# Altium PCB Audio_Blade_Mic_Array.PcbDoc (part 2 of 4) (continued)
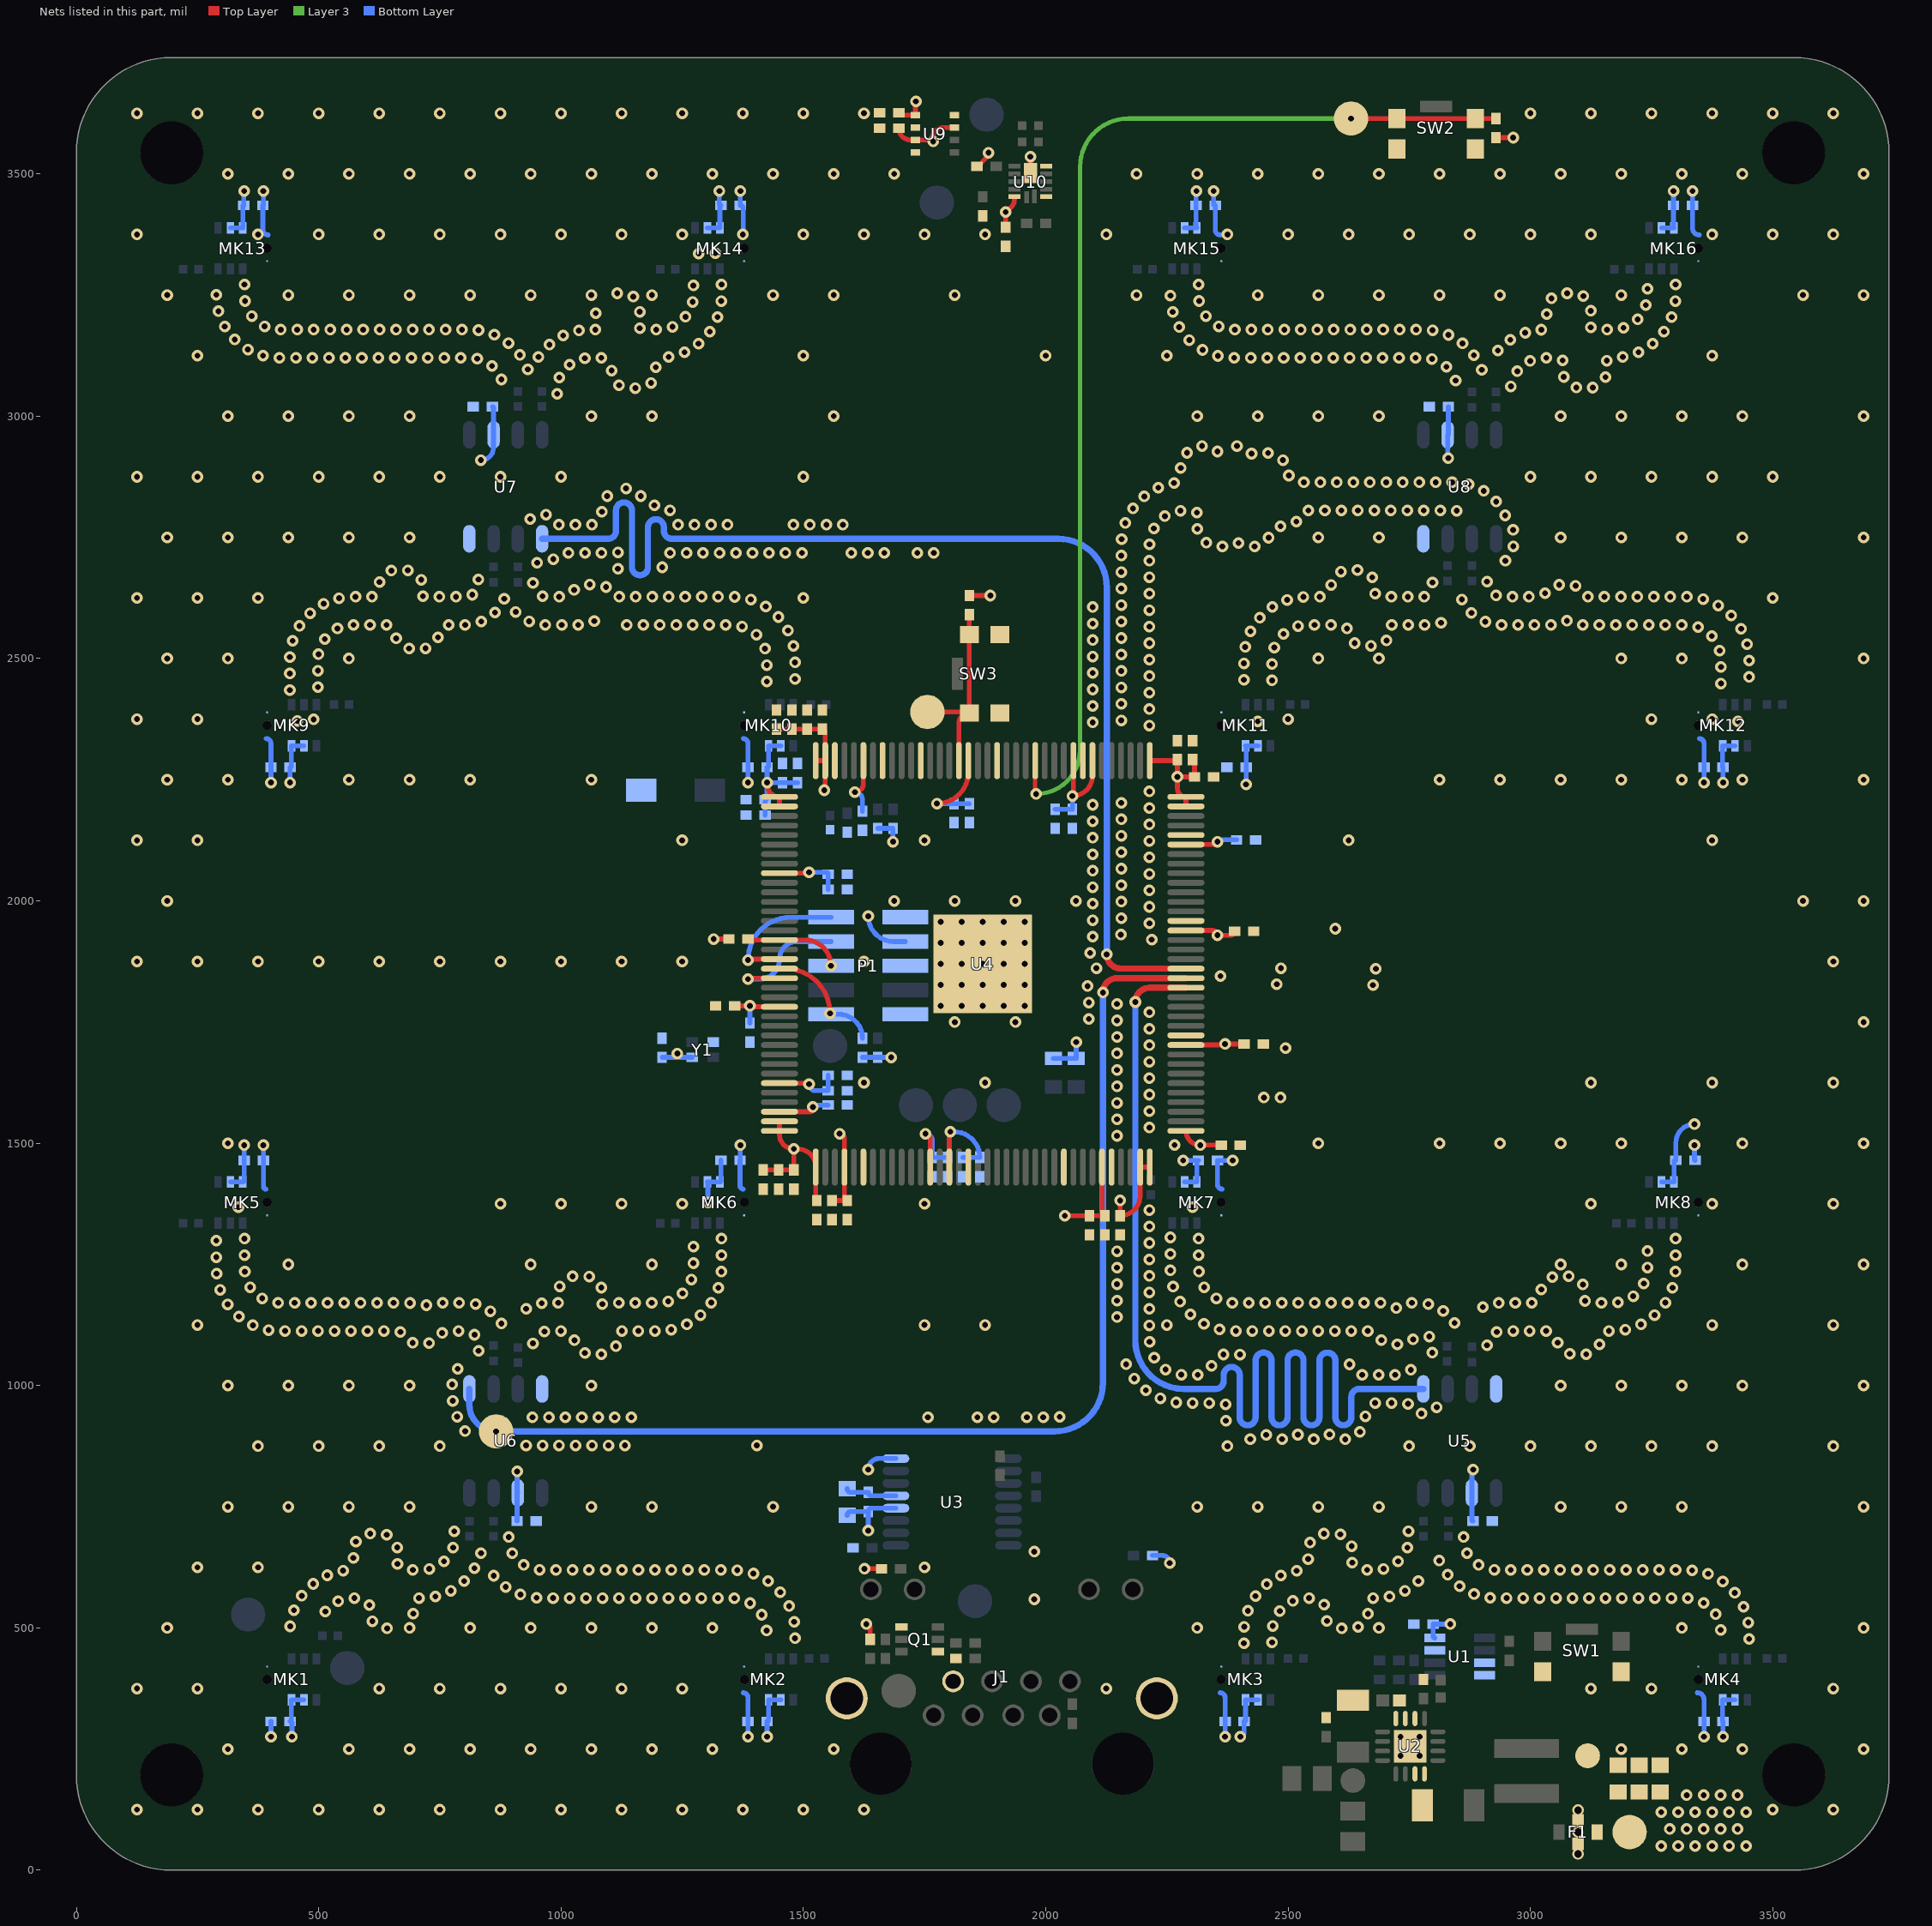
[diagram p6: the nets of this part, all layers, seen from the top]
## Nets (pads, with @x,y where several pads share a name; then routed paths per layer and width w, separated by ;. In a path a pad name is that pad's centre, name@x,y a point inside that pad or via, vN(x,y) a via of type N, cw(c..) or ccw(c..) an arc to the next point about the centre after c; other vN are vias at no path point)
+3V1_SYS: C1.1 C6.2 C7.2 C8.2 C10.2 C11.2 C12.2 C13.2 C14.2 C15.2 C16.2 C17.1 C18.1 C19.1 C20.1 C21.1 C22.1 C23.1 C24.1 C25.1 C26.1 C27.1 C28.1 C29.1 C30.1 C31.1 C32.1 C33.1 C34.1 C35.1 C36.1 C37.1 C38.1 C39.1 C40.1 C41.1 C42.1 C43.1 C44.1 C45.1 C46.1 C47.1 C48.1 C49.1 C50.1 C51.1 C52.1 C53.1 C54.1 C55.1 C56.1 C58.2 C59.2 C60.2 C61.2 C62.2 C63.2 C64.2 C65.2 C67.2 C69.2 C70.2 C71.2 C72.2 C73.2 C74.2 C75.2 C76.2 C77.2 C78.2 F1.3 MK1.2 MK1.3 MK2.2 MK2.3 MK3.2 MK3.3 MK4.2 MK4.3 MK5.2 MK5.3 MK6.2 MK6.3 MK7.2 MK7.3 MK8.2 MK8.3 MK9.2 MK9.3 MK10.2 MK10.3 MK11.2 MK11.3 MK12.2 MK12.3 MK13.2 MK13.3 MK14.2 MK14.3 MK15.2 MK15.3 MK16.2 MK16.3 P1.3 R1.2 R7.2 R10.2 R18.2 R19.2 R20.2 R21.2 R27.2 R28.2 R29.2 R41.2 R42.2 TP1.1 U1.4 U3.12 U3.16 U4.1 U4.2 U4.9 U4.23 U4.31 U4.34 U4.35 U4.36 U4.37 U4.40 U4.49 U4.51 U4.67 U4.71 U4.72 U4.73 U4.82 U4.94 U4.103 U4.107 U4.108 U4.109 U4.115 U4.117 U4.128 U4.139 U4.143 U4.144 U5.6 U6.6 U7.6 U8.6 U9.2 U9.6 U9.8 U10.11 Y1.4 | length 6751.5
  Top Layer w10: v1(1314.96,1921.26) R27.2@1346.46,1921.26 ; C23.1@1358.27,1783.46 v1(1389.76,1783.46) ccw(c1391.73,1783.46) 1391.73,1781.5 U4.23@1450.79,1781.5 ; C30.1@1417.32,1444.88 C29.1@1448.82,1444.88 C28.1@1480.32,1444.88 v1(1480.32,1488.19) ; v1(1425.2,2244.09) 1425.2,2240.16 ccw(c1450.79,2240.16) U4.1@1450.79,2214.57 U4.2@1450.79,2194.88 ; C56.1@1444.88,2354.33 C55.1@1476.38,2354.33 C54.1@1507.87,2354.33 C53.1@1539.37,2354.33 cw(c1539.37,2348.43) 1545.28,2348.43 U4.143@1545.28,2289.37 ; U4.35@1450.79,1545.28 U4.36@1450.79,1525.59 1450.79,1517.72 ccw(c1480.32,1517.72) v1(1480.32,1488.19) ; U4.34@1450.79,1564.96 1513.78,1564.96 ccw(c1513.78,1574.8) 1523.62,1574.8 v1(1519.68,1574.8) ; U4.31@1450.79,1624.02 1509.84,1624.02 cw(c1509.84,1622.05) v1(1511.81,1622.05) ; U4.9@1450.79,2057.09 1509.84,2057.09 ccw(c1509.84,2059.06) v1(1511.81,2059.06) ; U4.144@1525.59,2289.37 U4.143@1545.28,2289.37 ; C31.1@1527.56,1381.89 cw(c1527.56,1383.86) 1525.59,1383.86 U4.37@1525.59,1450.79 ccw(c1488.19,1450.79) 1488.19,1488.19 v1(1480.32,1488.19) ; v1(1543.31,2228.35) ccw(c1543.31,2230.31) 1545.28,2230.31 U4.143@1545.28,2289.37 ; C32.1@1559.06,1381.89 C33.1@1590.55,1381.89 cw(c1590.55,1387.8) 1584.65,1387.8 U4.40@1584.65,1450.79 1584.65,1509.84 ccw(c1574.8,1509.84) v1(1574.8,1519.68) ; v1(1606.3,2224.41) ccw(c1606.3,2242.13) 1624.02,2242.13 U4.139@1624.02,2289.37 ; v1(1625.98,622.05) R10.2@1661.42,622.05 ; v1(1629.92,507.87) cw(c1629.92,500) 1637.8,500 R1.2@1637.8,476.38 ; C61.2@1696.85,3594.49 ccw(c1721.46,3594.49) 1721.46,3569.88 U9.6@1731.3,3569.88 1764.76,3569.88 cw(c1790.35,3569.88) 1790.35,3595.47 U9.2@1812.01,3595.47 ; C62.2@1696.85,3625.98 ccw(c1701.77,3625.98) 1701.77,3621.06 U9.8@1731.3,3621.06 1731.3,3648.62 cw(c1732.28,3648.62) v1(1732.28,3649.61) ; v1(1751.97,1519.68) cw(c1751.97,1509.84) 1761.81,1509.84 U4.49@1761.81,1450.79 ; v1(1775.59,2200.79) ccw(c1775.59,2265.75) 1840.55,2265.75 U4.128@1840.55,2289.37 ; U4.51@1801.18,1450.79 1801.18,1521.65 cw(c1803.15,1521.65) v1(1803.15,1523.62) ; R21.2@1842.52,2629.92 v1(1885.83,2629.92) ; v1@1913.39,3425.2 ccw(c1913.39,3447.44) 1935.63,3447.44 U10.11@1935.63,3452.76 ; C67.2@1917.32,3389.76 v1(1917.32,3421.26) ; v1(2039.37,1350.39) C38.1@2090.55,1350.39 C39.1@2122.05,1350.39 cw(c2122.05,1356.3) 2116.14,1356.3 U4.67@2116.14,1450.79 ; U4.117@2057.09,2289.37 2057.09,2218.5 cw(c2055.12,2218.5) v1(2055.12,2216.54) ccw(c2055.12,2257.87) 2096.46,2257.87 U4.115@2096.46,2289.37 ; v1(2153.54,1381.89) C40.1@2153.54,1350.39 ccw(c2153.54,1391.73) 2194.88,1391.73 U4.71@2194.88,1450.79 U4.72@2214.57,1450.79 ; U4.109@2214.57,2289.37 2269.68,2289.37 ccw(c2269.68,2291.34) C47.1@2271.65,2291.34 v1(2271.65,2255.91) ; U4.73@2289.37,1525.59 ccw(c2318.9,1525.59) v1(2318.9,1496.06) C41.1@2362.2,1496.06 ; U4.82@2289.37,1702.76 2368.11,1702.76 ccw(c2368.11,1704.72) v1(2370.08,1704.72) C42.1@2409.45,1704.72 ; U4.94@2289.37,1938.98 2344.49,1938.98 cw(c2344.49,1929.13) v1(2354.33,1929.13) 2381.89,1929.13 ccw(c2381.89,1937.01) C43.1@2389.76,1937.01 ; U4.103@2289.37,2116.14 2348.43,2116.14 ccw(c2348.43,2122.05) v1(2354.33,2122.05) ; U4.107@2289.37,2194.88 U4.108@2289.37,2214.57 cw(c2289.37,2232.28) 2271.65,2232.28 v1(2271.65,2255.91) ; C46.1@2303.15,2291.34 cw(c2303.15,2287.4) 2307.09,2287.4 C45.1@2307.09,2255.91 v1(2271.65,2255.91) ; R18.2@2929.13,3574.8 v1(2964.57,3574.8)
  Bottom Layer w10: MK5.2@317.91,1420.28 MK5.3@343.5,1420.28 ccw(c343.5,1423.23) 346.46,1423.23 C64.2@346.46,1464.57 v1(346.46,1496.06) ; MK13.2@317.91,3388.78 MK13.3@343.5,3388.78 343.5,3433.19 cw(c345.31,3433.19) C75.2@345.31,3435 345.31,3463.43 cw(c346.46,3463.43) v1(346.46,3464.57) ; v1(440.94,2244.09) C71.2@440.94,2275.59 ccw(c440.94,2278.54) 443.9,2278.54 MK9.3@443.9,2319.88 MK9.2@469.49,2319.88 ; v1(444.88,275.59) 444.88,303.15 ccw(c440.94,303.15) C58.2@440.94,307.09 ccw(c440.94,310.04) 443.9,310.04 MK1.3@443.9,351.38 MK1.2@469.49,351.38 ; v1(834.65,2909.45) ccw(c834.65,2935.63) 860.83,2935.63 U7.6@860.83,2961.61 860.83,3017.13 ccw(c858.27,3017.13) C15.2@858.27,3019.68 ; C14.2@909.45,720.47 909.45,777.17 cw(c910.83,777.17) U6.6@910.83,778.54 cw(c910.83,779.92) 909.45,779.92 v1(909.45,822.83) ; C12.2@1208.66,1677.17 1232.28,1677.17 ccw(c1232.28,1685.04) v1(1240.16,1685.04) ccw(c1248.03,1685.04) 1248.03,1677.17 Y1.4@1270.67,1677.17 ; MK14.2@1302.17,3388.78 MK14.3@1327.76,3388.78 1327.76,3432.44 cw(c1330.31,3432.44) C76.2@1330.31,3435 cw(c1330.31,3438.54) 1326.77,3438.54 v1(1326.77,3464.57) ; v1(1303.15,1377.95) 1303.15,1419.29 ccw(c1302.17,1419.29) MK6.2@1302.17,1420.28 MK6.3@1327.76,1420.28 ccw(c1327.76,1422.52) 1330,1422.52 C65.2@1330,1465 ; C24.1@1389.76,1748.03 v1(1389.76,1783.46) ; C20.1@1421.26,2177.17 C19.1@1421.26,2208.66 ccw(c1421.26,2212.6) 1425.2,2212.6 v1(1425.2,2244.09) ; v1(1425.2,275.59) C59.2@1425.2,307.09 ccw(c1425.2,310.04) 1428.15,310.04 MK2.3@1428.15,351.38 MK2.2@1453.74,351.38 ; MK10.2@1453.74,2319.88 MK10.3@1428.15,2319.88 1428.15,2278.54 cw(c1425.2,2278.54) C72.2@1425.2,2275.59 v1(1425.2,2244.09) ; C18.1@1488.19,2244.09 C17.1@1456.69,2244.09 v1(1425.2,2244.09) ; v1(1511.81,1622.05) ccw(c1525.39,1622.05) 1525.39,1608.47 C25.1@1551.15,1608.47 C26.1@1551.15,1639.97 ; v1(1511.81,2059.06) 1547.24,2059.06 cw(c1547.24,2055.12) C21.1@1551.18,2055.12 C22.1@1551.18,2023.62 ; v1(1519.68,1574.8) cw(c1523.62,1574.8) 1523.62,1578.74 C27.1@1551.18,1578.74 ; C11.2@1590.55,732.28 cw(c1598.43,732.28) 1598.43,740.16 C10.2@1633.86,740.16 ; v1(1606.3,2224.41) cw(c1606.3,2208.66) 1622.05,2208.66 C52.1@1622.05,2185.04 ; R28.2@1622.05,1677.17 R29.2@1653.54,1677.17 v1(1681.1,1677.17) ; v1(1633.86,700.79) C10.2@1633.86,740.16 ; v1(1633.86,826.77) cw(c1656.5,826.77) 1656.5,849.41 U3.16@1690.94,849.41 ; v1(1633.86,1968.5) ccw(c1686.22,1968.5) 1686.22,1916.14 P1.3@1710.63,1916.14 ; R20.2@1653.54,2149.61 R19.2@1685.04,2149.61 v1(1685.04,2122.05) ; U3.12@1690.94,747.05 1640.75,747.05 ccw(c1640.75,740.16) C10.2@1633.86,740.16 ; v1(1751.97,1519.68) cw(c1751.97,1505.91) 1765.75,1505.91 C34.1@1765.75,1470.47 C35.1@1797.24,1470.47 ; v1(1775.59,2200.79) C51.1@1811.02,2200.79 C50.1@1842.52,2200.79 ; v1(1803.15,1523.62) 1811.02,1523.62 cw(c1811.02,1470.47) C37.1@1864.17,1470.47 C36.1@1828.74,1470.47 ; R42.2@2015.75,1675.2 R41.2@2062.99,1675.2 v1(2062.99,1708.66) ; C49.1@2019.68,2188.98 C48.1@2055.12,2188.98 v1(2055.12,2216.54) ; R7.2@2220.47,649.61 2240.16,649.61 cw(c2240.16,633.86) v1(2255.91,633.86) ; v1(2283.46,1464.57) 2287.4,1464.57 C69.2@2314.96,1464.57 ccw(c2314.96,1461.61) 2312.01,1461.61 MK7.3@2312.01,1420.28 MK7.2@2286.42,1420.28 ; MK15.2@2286.42,3388.78 MK15.3@2312.01,3388.78 cw(c2312.01,3390.47) 2310.31,3390.47 C77.2@2310.31,3435 2310.31,3463.86 cw(c2311.02,3463.86) v1(2311.02,3464.57) ; v1(2354.33,2122.05) cw(c2358.27,2122.05) 2358.27,2125.98 C44.1@2393.7,2125.98 ; v1(2401.57,275.59) 2403.59,275.59 2409.45,281.45 C60.2@2409.45,307.09 ccw(c2409.45,310.04) 2412.4,310.04 MK3.3@2412.4,351.38 MK3.2@2437.99,351.38 ; v1(2413.39,2240.16) C73.2@2413.39,2275.59 2413.39,2318.9 ccw(c2412.4,2318.9) MK11.3@2412.4,2319.88 MK11.2@2437.99,2319.88 ; U1.4@2803.15,479.33 cw(c2803.15,483.27) 2799.21,483.27 C1.1@2799.21,507.87 v1(2834.65,507.87) ; v1(2830.71,2913.39) cw(c2830.71,2914.76) 2829.33,2914.76 U8.6@2829.33,2961.61 ccw(c2829.33,2962.99) 2830.71,2962.99 C16.2@2830.71,3019.68 ; C13.2@2881.89,720.47 cw(c2881.89,723.03) 2879.33,723.03 U5.6@2879.33,778.54 2879.33,824.21 cw(c2881.89,824.21) v1(2881.89,826.77) ; MK8.2@3270.67,1420.28 MK8.3@3296.26,1420.28 3296.26,1460.95 cw(c3300.31,1460.95) C70.2@3300.31,1465 3300.31,1501.1 cw(c3338.58,1501.1) v1(3338.58,1539.37) ; MK16.2@3270.67,3388.78 MK16.3@3296.26,3388.78 cw(c3296.26,3389.72) 3295.31,3389.72 C78.2@3295.31,3435 v1(3295.28,3464.57) ; v1(3397.64,275.59) C63.2@3397.64,307.09 cw(c3397.64,308.07) 3396.65,308.07 MK4.3@3396.65,351.38 MK4.2@3422.24,351.38 ; v1(3397.64,2244.09) C74.2@3397.64,2275.59 cw(c3397.64,2276.57) 3396.65,2276.57 MK12.3@3396.65,2319.88 MK12.2@3422.24,2319.88
  other v1: 3270,50 3305,50 3340,50 3375,50 3410,50 3445,50 3287.5,85 3322.5,85 3357.5,85 3392.5,85 3427.5,85 3270,120 3305,120 3340,120 3375,120 3410,120 3445,120 3322.5,155 3357.5,155 3392.5,155 3427.5,155 1767.72,3566.93
\CONFIG: R21.1 SW3.1 SW3.4 TP12.1 U4.129 | length 401.3
  Top Layer w10: TP12.1@1755.91,2389.76 1840.55,2389.76 cw(c1840.55,2387.8) SW3.1@1842.52,2387.8 ; U4.129@1820.87,2289.37 1820.87,2366.14 cw(c1842.52,2366.14) SW3.1@1842.52,2387.8 ; R21.1@1842.52,2590.55 SW3.4@1842.52,2549.21 SW3.1@1842.52,2387.8
\RESET: R18.1 SW2.1 SW2.4 TP8.1 U4.121 | length 2330.8
  Top Layer w9: U4.121@1978.35,2289.37 1978.35,2222.44 ccw(c1980.32,2222.44) v1(1980.32,2220.47) ; v1(2629.92,3614.17) SW2.1@2724.85,3614.17 SW2.4@2886.27,3614.17 R18.1@2929.13,3614.17
  Layer 3 w9: v1(1980.32,2220.47) ccw(c1980.32,2311.02) 2070.87,2311.02 2070.87,3514.17 cw(c2170.87,3514.17) 2170.87,3614.17 v1(2629.92,3614.17)
GND: C1.2 C3.1 C4.1 C5.1 C6.1 C7.1 C8.1 C9.1 C10.1 C11.1 C12.1 C13.1 C14.1 C15.1 C16.1 C17.2 C18.2 C19.2 C20.2 C21.2 C22.2 C23.2 C24.2 C25.2 C26.2 C27.2 C28.2 C29.2 C30.2 C31.2 C32.2 C33.2 C34.2 C35.2 C36.2 C37.2 C38.2 C39.2 C40.2 C41.2 C42.2 C43.2 C44.2 C45.2 C46.2 C47.2 C48.2 C49.2 C50.2 C51.2 C52.2 C53.2 C54.2 C55.2 C56.2 C57.2 C58.1 C59.1 C60.1 C61.1 C62.1 C63.1 C64.1 C65.1 C67.1 C68.2 C69.1 C70.1 C71.1 C72.1 C73.1 C74.1 C75.1 C76.1 C77.1 C78.1 F1.2 FB1.1 J1.2 J1.13 MK1.4 MK2.4 MK3.4 MK4.4 MK5.4 MK6.4 MK7.4 MK8.4 MK9.4 MK10.4 MK11.4 MK12.4 MK13.4 MK14.4 MK15.4 MK16.4 P1.1 P1.5 P1.9 Q1.1 Q1.4 R11.1 R15.1 R17.1 R43.1 R53.1 SW1.2 SW1.3 SW2.2 SW2.3 SW3.2 SW3.3 TP3.1 U1.3 U1.7 U1.8 U2.6 U2.7 U2.8 U2.15 U2.16 U2.17 U3.13 U4.42 U4.53 U4.63 U4.68 U4.83 U4.95 U4.104 U4.116 U4.125 U4.133 U4.137 U4.142 U4.145 U5.4 U6.4 U7.4 U8.4 U9.1 U9.5 U9.7 U10.2 U10.6 U10.13 Y1.2 | length 1497
  Top Layer w10: R53.1@1858.27,3515.75 1860.24,3515.75 1879.21,3534.72 1879.21,3540.63 v1@1881.89,3543.31 ; U10.13@1968.5,3501.97 v1(1968.5,3535.43)
  Bottom Layer w10: v1(385.83,1496.06) C64.1@385.83,1464.57 385.83,1411.32 ccw(c391.68,1411.32) 391.68,1405.47 ; v1(385.83,3464.57) 385.83,3436.14 cw(c384.68,3436.14) C75.1@384.68,3435 384.68,3384.96 ccw(c395.65,3384.96) 395.65,3374 ; 391.75,2334.67 cw(c391.75,2324.84) 401.57,2324.84 C71.1@401.57,2275.59 v1(401.57,2244.09) ; v1(401.57,275.59) C58.1@401.57,307.09 ; v1(1370.08,1496.06) 1370.08,1465.71 cw(c1369.37,1465.71) C65.1@1369.37,1465 1369.37,1412.03 ccw(c1375.93,1412.03) 1375.93,1405.47 ; v1(1370.08,3464.57) 1370.08,3435 C76.1@1369.68,3435 cw(c1369.68,3428.76) 1375.93,3428.76 v1@1375.93,3373.97 ; 1376,366.16 cw(c1376,356.34) 1385.83,356.34 C59.1@1385.83,307.09 v1(1385.83,275.59) ; 1376,2334.67 cw(c1376,2324.84) 1385.83,2324.84 C72.1@1385.83,2275.59 v1(1385.83,2244.09) ; C11.1@1590.55,787.4 ccw(c1598.43,787.4) 1598.43,779.53 C10.1@1633.86,779.53 ccw(c1640.75,779.53) 1640.75,772.64 U3.13@1690.94,772.64 ; v1(2346.46,3464.57) 2346.46,3438.23 ccw(c2349.68,3438.23) C77.1@2349.68,3435 2349.68,3384.47 ccw(c2360.18,3384.47) 2360.18,3373.97 ; 2360.26,366.16 cw(c2360.26,356.34) 2370.08,356.34 C60.1@2370.08,307.09 v1(2370.08,275.59) ; 2364.15,1405.49 cw(c2364.15,1415.32) 2354.33,1415.32 C69.1@2354.33,1464.57 v1(2385.83,1464.57) ; v1@3334.69,3464.57 C78.1@3334.69,3435 3334.69,3387.72 ccw(c3348.41,3387.72) 3348.41,3374 ; v1(3338.58,1496.06) 3338.58,1466.1 ccw(c3339.69,1466.1) C70.1@3339.69,1465 ; 3344.51,366.16 cw(c3344.51,352.4) 3358.27,352.4 C63.1@3358.27,307.09 v1(3358.27,275.59) ; 3348.48,2334.69 cw(c3348.48,2324.9) 3358.27,2324.9 C74.1@3358.27,2275.59 v1(3358.27,2244.09)
  other v1: 125,125 250,125 375,125 500,125 625,125 750,125 875,125 1000,125 1125,125 1250,125 1375,125 1500,125 1625,125 3500,125 3625,125 2732.28,236.22 2771.65,236.22 312.5,250 562.5,250 687.5,250 812.5,250 937.5,250 1062.5,250 1187.5,250 1312.5,250 1562.5,250 3187.5,250 3312.5,250 3437.5,250 3687.5,250 2732.28,275.59 2771.65,275.59 125,375 250,375 625,375 750,375 875,375 1000,375 1125,375 1250,375 2125,375 3125,375 3250,375 3625,375 2408.97,468.25 2467.01,470.12 3451.26,477.26 1482.76,478.69 1424.28,494.68 3392.67,495.87 641.25,499.02 2610.68,499.12 187.5,500 687.5,500 812.5,500 937.5,500 1062.5,500 1187.5,500 1312.5,500 2312.5,500 2687.5,500 3312.5,500 3687.5,500 2409.62,502.24 2644.55,502.1 441.2,503.31 2468.38,504.1 3449.58,511.21 1480.99,512.64 610.64,513.83 2580.27,514.32 1414.23,527.16 3382.18,528.21 2665.09,529.2 695.2,529.61 513.71,533.89 2417.06,535.42 2482.97,534.81 448.97,536.41 3439.72,543.75 1470.68,545.04 604.58,547.28 2574.47,547.82 1390.15,551.15 3357.61,551.71 540.34,555.03 2509.88,555.59 1976.38,559.06 1357.64,561.12 3324.97,561.23 573.71,561.53 706.9,561.53 949.65,562.02 983.64,561.53 1017.64,561.53 1051.64,561.53 1085.64,561.53 1119.64,561.53 1153.64,561.53 1187.64,561.53 1221.64,561.53 1255.64,561.53 1289.64,561.53 1323.64,561.53 2543.36,561.53 2675.6,561.53 2916.98,562.22 2950.97,561.53 2984.97,561.53 3018.97,561.53 3052.97,561.53 3086.97,561.53 3120.97,561.53 3154.97,561.53 3188.97,561.53 3222.97,561.53 3256.97,561.53 3290.97,561.53 740.73,564.84 2709.43,564.84 465.15,566.32 2432.9,565.5 916.36,568.94 2883.86,569.92 3421.69,572.58 1452.29,573.63 772.65,576.57 2741.35,576.57 886.11,584.47 2853.96,586.11 2456.24,590.23 488.58,590.96 3396.94,595.89 800.18,596.52 1427.27,596.66 2768.88,596.52 861.26,607.67 2485.12,608.16 517.65,608.59 2829.44,609.66 1397,612.14 3366.79,611.61 550.27,618.18 2517.7,617.9 1363.71,619.06 3333.59,618.95 694.29,619.57 955.72,619.96 989.72,619.57 1023.72,619.57 1057.72,619.57 1091.72,619.57 1125.72,619.57 1159.72,619.57 1193.72,619.57 1227.72,619.57 1261.72,619.57 1295.72,619.57 1329.72,619.57 2663.03,619.57 2925.6,619.96 2959.6,619.57 2993.6,619.57 3027.6,619.57 3061.6,619.57 3095.6,619.57 3129.6,619.57 3163.6,619.57 3197.6,619.57 3231.6,619.57 3265.6,619.57 3299.6,619.57 728.23,621.64 2696.97,621.65 821.36,623.11 250,625 375,625 1750,625 923.22,629.96 2893.1,629.96 662.61,631.93 2632.51,634.54 758.36,637.39 2727.09,637.42 2812.07,638.89 2541.55,642.14 571.66,644.61 835,654.26 899.5,654.32 2869.38,654.32 1976.38,657.48 662.09,665.92 777.43,665.53 2746.14,665.58 2631.47,668.52 2545.45,675.91 576.7,678.23 892.12,687.51 2862,687.51 640.43,692.13 2607.98,693.1 2574,694.37 606.52,694.57 779.86,699.45 2748.57,699.49 312.5,750 437.5,750 562.5,750 687.5,750 1062.5,750 1187.5,750 1437.5,750 2312.5,750 2437.5,750 2562.5,750 2687.5,750 3062.5,750 3187.5,750 3312.5,750 3687.5,750 375,875 500,875 625,875 750,875 2375,875 2750,875 2875,875 3000,875 3125,875 3250,875 3375,875 3625,875 927.94,876.49 961.94,876.49 995.94,876.49 1029.94,876.49 1063.94,876.49 1097.94,876.49 1131.94,876.49 1403.94,876.49 2422.11,889.42 2487.65,889.36 2552.99,889.26 2618.02,889.2 2454.89,898.46 2520.33,898.72 2585.51,899.17 2648.34,904.58 802.24,905.95 2371.8,927.45 941.01,934.53 975.01,934.53 1009.01,934.53 1043.01,934.53 1077.01,934.53 1111.01,934.53 1145.01,934.53 1757.01,934.53 1859.01,934.53 1893.01,934.53 1961.01,934.53 1995.01,934.53 785.77,935.7 2028.99,935.63 2659.64,936.65 2775.22,942.32 2806.7,955.17 2371.15,961.45 2747.66,962.23 2303.25,964.09 2337.25,964.09 2679.71,964.09 2713.71,964.09 2269.26,965.06 776.68,968.46 2236.39,973.75 2206.78,990.45 312.5,1000 437.5,1000 562.5,1000 687.5,1000 1062.5,1000 3062.5,1000 3187.5,1000 3312.5,1000 3437.5,1000 3687.5,1000 775.35,1002.43 2182.71,1014.46 2279.8,1022.45 2313.8,1022.13 2652.93,1022.13 2686.93,1022.13 2720.93,1022.13 2753.34,1032.43 2247.51,1033.11 786.84,1034.43 2342.32,1040.64 2165.87,1044 2626.72,1043.78 2223.95,1057.62 2366.88,1064.15 2400.88,1064 1083.29,1064.77 3081.22,1065.34 3115.21,1064.71 1049.38,1067.22 2797.7,1067.81 829.93,1071.86 1113.12,1081.08 2910.62,1083.11 2725.57,1085.12 3142.6,1084.86 942.12,1087.12 693.96,1088.13 727.95,1087.66 3056.39,1088.57 2214.37,1090.24 1027.74,1093.44 2692.69,1093.78 2758.03,1095.25 2791.5,1101.24 821.62,1104.83 754.81,1108.51 668.62,1110.79 2930.52,1110.68 965.75,1111.57 430.67,1112.71 464.67,1112.71 498.67,1112.71 532.67,1112.71 566.67,1112.71 600.67,1112.71 634.67,1112.71 788.55,1112.71 999.73,1112.71 1125.6,1112.71 1159.6,1112.71 1193.6,1112.71 2392.45,1112.71 2426.45,1112.71 2460.45,1112.71 2494.45,1112.71 2528.45,1112.71 2562.45,1112.71 2596.45,1112.71 2630.45,1112.71 2664.45,1112.71 2964.46,1112.71 2998.46,1112.71 3032.46,1112.71 3162.1,1112.71 396.71,1114.42 1227.5,1115.26 3196.01,1115.26 2358.59,1115.86 364.23,1124.46 2214.06,1124.24 250,1125 1750,1125 1875,1125 2250,1125 3375,1125 3625,1125 1259.7,1126.17 3228.21,1126.17 2326.58,1127.32 877.21,1128.11 2843.43,1129.02 2147.13,1141.31 335.49,1142.62 1287.78,1145.35 3256.28,1145.35 2298.86,1147.01 854.36,1153.29 2820.15,1153.8 2214.06,1158.24 928.15,1158.51 2723.16,1159.96 2901.87,1161.85 722.13,1165.96 312.26,1167.45 823.67,1167.94 1085.26,1168.28 2789.3,1168.09 688.41,1170.33 960.24,1169.73 2934.76,1170.45 416.41,1170.93 450.41,1170.75 484.41,1170.75 518.41,1170.75 552.41,1170.75 586.41,1170.75 620.41,1170.75 654.41,1170.75 755.79,1170.75 789.79,1170.75 994.23,1170.75 1119.17,1170.75 1153.17,1170.75 1187.17,1170.75 1310.03,1171.06 2384.92,1170.93 2418.92,1170.75 2452.92,1170.75 2486.92,1170.75 2520.92,1170.75 2554.92,1170.75 2588.92,1170.75 2622.92,1170.75 2656.92,1170.75 2690.92,1170.75 2755.4,1170.75 2968.76,1170.75 3002.76,1170.75 3146.59,1170.75 3278.53,1171.06 3180.57,1171.76 2277.23,1173.23 1221.05,1173.67 2147.13,1175.31 3112.82,1174.73 383.64,1179.99 2352.15,1179.99 3212.13,1184.41 1250.73,1190.25 2214.06,1192.24 296.66,1197.66 3022.63,1198.34 1083.38,1202.23 1324.76,1201.7 3293.27,1201.7 358.58,1202.96 2327.08,1202.96 2262.9,1204.07 997.18,1204.62 3108.36,1208.44 2147.13,1209.31 3234.01,1210.44 1269.03,1218.91 3045.18,1223.78 1024.08,1225.42 1058.08,1224.94 2214.06,1226.24 3079.12,1225.8 289.48,1230.89 347.61,1235.14 1330.94,1235.14 2316.12,1235.14 3299.44,1235.14 2257.45,1237.63 2147.13,1243.31 3241.65,1243.57 437.5,1250 937.5,1250 1187.5,1250 3062.5,1250 3187.5,1250 3437.5,1250 3687.5,1250 1273.15,1252.66 2214.06,1260.24 288.89,1264.89 346.93,1269.14 1331.18,1269.14 2315.44,1269.14 3299.69,1269.14 2257.4,1271.63 2147.13,1277.31 3241.65,1277.57 1273.15,1286.66 2214.06,1294.24 288.89,1298.89 346.93,1303.14 1331.18,1303.14 2315.44,1303.14 3299.69,1303.14 2257.4,1305.63 2214.06,1328.24 2214.06,1362.24 334.37,1368.16 2302.88,1368.16 875,1375 1000,1375 1125,1375 1250,1375 1750,1375 3125,1375 3375,1375 3625,1375 2266.03,1496.46 312.5,1500 2562.5,1500 2812.5,1500 2937.5,1500 3062.5,1500 3187.5,1500 3437.5,1500 3687.5,1500 2147.13,1515.31 2214.06,1532.24 2147.13,1549.31 2214.06,1566.24 2147.13,1583.31 2450.3,1594.2 2484.3,1594.2 2214.06,1600.24 2147.13,1617.31 1625,1625 1875,1625 3125,1625 3375,1625 3625,1625 2214.06,1634.24 2147.13,1651.31 2214.06,1668.24 2147.13,1685.31 2494.85,1696.11 2214.06,1702.24 2147.13,1719.31 2214.06,1736.24 1812.5,1750 1937.5,1750 3687.5,1750 2147.13,1753.31 2089.09,1756.32 2214.06,1770.24 1783.46,1783.46 1826.77,1783.46 1870.08,1783.46 1913.39,1783.46 1956.69,1783.46 2147.13,1787.31 2089.09,1790.32 2086.52,1824.22 2675.26,1826.32 1783.46,1826.77 1826.77,1826.77 1870.08,1826.77 1913.39,1826.77 1956.69,1826.77 2476.74,1828.25 2360.7,1844.89 2681.05,1859.82 2104.61,1861.15 2485.43,1861.12 1783.46,1870.08 1826.77,1870.08 1870.08,1870.08 1913.39,1870.08 1956.69,1870.08 125,1875 250,1875 375,1875 500,1875 625,1875 750,1875 875,1875 1000,1875 1125,1875 1250,1875 1625,1875 3625,1875 2091.75,1892.62 1783.46,1913.39 1826.77,1913.39 1870.08,1913.39 1913.39,1913.39 1956.69,1913.39 2218.81,1920.1 2096.97,1926.22 2155.05,1930.45 2597.38,1942.61 2214.06,1953.77 1783.46,1956.69 1826.77,1956.69 1870.08,1956.69 1913.39,1956.69 1956.69,1956.69 2096.97,1960.22 2156.02,1964.44 2214.06,1987.77 2096.97,1994.22 2156.02,1998.44 187.5,2000 1687.5,2000 1812.5,2000 1937.5,2000 2062.5,2000 3562.5,2000 3687.5,2000 2214.06,2021.77 2096.97,2028.22 2156.02,2032.44 2214.06,2055.77 2096.97,2062.22 2156.02,2066.44 2214.06,2089.77 2096.97,2096.22 2156.02,2100.44 2214.06,2123.77 125,2125 250,2125 1250,2125 1750,2125 2625,2125 3375,2125 2096.97,2130.22 2156.02,2134.44 2214.06,2157.77 2096.97,2164.22 2156.02,2168.44 2214.06,2191.77 2096.97,2198.22 2156.02,2202.44 2214.06,2225.77 187.5,2250 312.5,2250 562.5,2250 687.5,2250 812.5,2250 1062.5,2250 2812.5,2250 2937.5,2250 3062.5,2250 3187.5,2250 3312.5,2250 3437.5,2250 3687.5,2250 2214.06,2361.77 2096.97,2368.22 2437.6,2370.29 3428.2,2370.29 455.84,2371.43 2156.02,2372.44 125,2375 250,2375 489.7,2374.5 2500,2375 3250,2375 3375,2375 2214.06,2395.77 2096.97,2402.22 2156.02,2406.44 2214.06,2429.77 440.47,2435.05 2096.97,2436.22 2156.02,2440.44 498.51,2440.94 3393.23,2448.56 1424.72,2452.56 2467.01,2455.06 2408.97,2456.05 1482.76,2458.09 3451.26,2461.99 2214.06,2463.77 440.47,2469.05 2096.97,2470.22 2156.02,2474.44 498.51,2474.94 3393.23,2482.56 1424.72,2486.56 2467.01,2489.06 2408.97,2490.05 1482.76,2492.09 3451.26,2495.99 2214.06,2497.77 187.5,2500 312.5,2500 562.5,2500 2562.5,2500 2687.5,2500 3187.5,2500 3312.5,2500 3687.5,2500 440.56,2503.05 2096.97,2504.22 2156.02,2508.44 499.57,2508.93 3390.56,2516.45 1420.88,2520.34 686.63,2520.69 720.62,2521.09 2471.59,2522.75 2411.57,2523.95 1479.69,2525.95 2670.96,2526.32 3447.28,2529.75 2214.06,2531.77 2637.4,2531.8 446.1,2536.6 2703.18,2537.19 2096.97,2538.22 512.55,2540.35 659.92,2541.73 2156.02,2542.44 746.11,2543.6 3374.29,2546.31 1403.05,2549.3 2490.64,2550.91 2422.55,2556.13 1468.26,2557.97 3434.83,2561.39 538.73,2562.05 2621.71,2561.96 3345.91,2565.03 1373.55,2566.2 2214.06,2565.77 460.57,2567.37 2520.63,2566.94 571.93,2569.41 605.93,2569.41 639.93,2569.23 768.25,2569.41 802.24,2569.31 967.51,2569.34 1001.51,2569.41 1035.51,2569.45 1135.7,2569.41 1169.7,2569.41 1203.7,2569.41 1237.7,2569.41 1271.7,2569.41 1305.7,2569.41 1339.7,2569.41 2554.54,2569.41 2588.54,2569.41 2714.05,2569.41 2748.05,2569.41 2782.05,2569.41 2940.44,2569.3 2974.44,2569.41 3008.44,2569.41 3042.44,2569.26 3108.19,2569.41 3142.19,2569.41 3176.19,2569.41 3210.19,2569.41 3244.19,2569.41 3278.19,2569.41 3312.19,2569.41 2096.97,2572.22 2815.76,2573.86 835.53,2576.27 2156.02,2576.44 2907.1,2575.99 934.34,2576.81 1068.61,2577.21 3075.3,2578.01 2441.74,2584.2 1448.66,2585.76 3414.57,2588.7 482.33,2593.49 2878.43,2594.26 863.81,2595.13 906.48,2596.3 2214.06,2599.77 2096.97,2606.22 2467.5,2606.39 1422.49,2607.46 3387.67,2609.5 2156.02,2610.44 510.16,2613.02 2498.17,2621.07 1391.69,2621.87 2858.69,2621.94 882.86,2623.29 3356.38,2622.78 542.19,2624.43 125,2625 250,2625 375,2625 1500,2625 3500,2625 576.05,2627.44 610.05,2627.44 749.16,2627.44 783.16,2627.44 996.18,2627.44 1120.14,2627.44 1154.14,2627.44 1188.14,2627.44 1222.14,2627.44 1256.14,2627.44 1290.14,2627.44 1324.14,2627.44 1358.14,2627.37 2531.61,2627.21 2565.61,2627.44 2713.1,2627.44 2747.1,2627.44 2781.1,2627.44 2963.04,2627.44 2997.04,2627.44 3118.71,2627.44 3152.71,2627.44 3186.71,2627.44 3220.71,2627.44 3254.71,2627.44 3288.71,2627.44 3322.71,2627.55 715.18,2628.71 962.2,2628.57 2929.14,2630.05 816.89,2631.69 2214.06,2633.77 2679.75,2634.06 3030.24,2634.75 1027.08,2641.62 2156.02,2644.44 1092.78,2647.63 3093.4,2650.14 2589.12,2652 3059.46,2652.14 1059.18,2652.83 942.12,2656.01 2798.04,2656.92 625.6,2657.68 2910.62,2658.57 711.8,2662.54 829.54,2663.25 2214.06,2667.77 2673.76,2667.53 2156.02,2678.44 2609.35,2679.33 650,2681.35 684,2682.11 2643.2,2682.44 1117.49,2685.23 1208.63,2688.35 950.84,2697.5 2214.06,2701.77 2948.49,2701.73 984.02,2704.93 2156.02,2712.44 1015.4,2718.03 1049.4,2718.03 1083.4,2718.03 1225.02,2718.14 1259.02,2718.03 1293.02,2718.03 1327.02,2718.03 1361.02,2718.03 1395.02,2718.03 1429.02,2718.03 1463.02,2718.03 1497.02,2718.03 1599.02,2718.03 1633.02,2718.03 1667.02,2718.03 1735.02,2718.03 1769.02,2718.03 1117.38,2719.23 2364.58,2731.3 2431.06,2731.43 2964.81,2731.56 2214.2,2735.77 2331.43,2738.87 2397.81,2738.52 2156.68,2746.43 2459.91,2749.43 187.5,2750 312.5,2750 437.5,2750 562.5,2750 687.5,2750 2562.5,2750 2687.5,2750 3062.5,2750 3187.5,2750 3312.5,2750 3437.5,2750 3687.5,2750 2964.38,2765.56 2312.85,2767.34 2223.12,2768.58 2484.57,2772.83 995.69,2776.07 1029.69,2776.07 1063.69,2776.07 1241.51,2776.07 1275.51,2776.07 1309.51,2776.07 1343.51,2776.07 1479.51,2776.07 1513.51,2776.07 1547.51,2776.07 1581.51,2776.07 2164.15,2779.6 2517.18,2782.45 936.27,2787.8 2245.92,2793.8 2948,2795.35 968.97,2797.09 2311.87,2801.33 1084.46,2802.99 2278.05,2804.91 2848.05,2804.91 1225,2805.79 2542.06,2805.63 2576.06,2805.63 2610.06,2805.63 2644.06,2805.63 2678.06,2805.63 2712.06,2805.63 2746.06,2805.63 2780.06,2805.63 2814.06,2805.63 2180.02,2809.67 1192.64,2816.22 2929.42,2823.83 2203.36,2834.39 1095.37,2835.19 1164.45,2835.23 2903.67,2846.03 1134.31,2850.96 2232.26,2852.3 2872.44,2859.47 2264.85,2862 2532.7,2863.66 2566.7,2863.66 2600.7,2863.66 2634.7,2863.66 2668.7,2863.66 2702.7,2863.66 2736.7,2863.66 2770.7,2863.66 2804.7,2863.66 2838.7,2863.66 125,2875 250,2875 375,2875 500,2875 625,2875 750,2875 875,2875 1000,2875 1500,2875 3000,2875 3125,2875 3250,2875 3375,2875 3500,2875 2501.73,2877.7 2278.64,2893.08 2489.48,2909.42 2424.79,2922.83 2458.77,2924 2291.59,2924.52 2354.59,2927.18 2322.56,2938.56 2394.64,2938.56 312.5,3000 437.5,3000 562.5,3000 687.5,3000 1062.5,3000 1187.5,3000 1562.5,3000 2312.5,3000 2437.5,3000 2562.5,3000 2687.5,3000 3062.5,3000 3187.5,3000 3312.5,3000 3437.5,3000 3687.5,3000 992.12,3046.24 1153.32,3058.07 3094.82,3059.17 3128.82,3059.07 2959.86,3061.48 1119.81,3063.84 1185.65,3068.58 2845.85,3073.71 877.08,3075.78 996.37,3079.97 3068.87,3081.14 3155.08,3080.67 2973.12,3092.79 1104.55,3094.22 931.44,3096.49 2899.75,3095.87 1195.51,3101.12 2826.95,3101.97 857.44,3103.53 1017.74,3106.42 2999.69,3114.01 3066.59,3115.07 3157.55,3114.58 2797.01,3118.08 827.09,3118.86 1049.1,3119.55 419.14,3120.59 453.14,3120.59 487.14,3120.59 521.14,3120.59 555.14,3120.59 589.14,3120.59 623.14,3120.59 657.14,3120.59 691.14,3120.59 725.14,3120.59 759.14,3120.59 793.14,3120.59 1083.08,3120.59 2389.1,3120.59 2423.1,3120.59 2457.1,3120.59 2491.1,3120.59 2525.1,3120.59 2559.1,3120.59 2593.1,3120.59 2627.1,3120.59 2661.1,3120.59 2695.1,3120.59 2729.1,3120.59 2763.1,3120.59 3033.05,3120.59 953.54,3122.35 1222.18,3122.21 3190.69,3122.21 250,3125 385.4,3124.86 1500,3125 2000,3125 2250,3125 2355.33,3124.52 3375,3125 915.25,3126.38 2883.53,3125.75 1254.77,3131.89 3223.28,3131.89 2932.8,3135.4 2323.66,3136.89 353.91,3137.66 976.21,3147.69 1283.71,3149.74 2860.01,3150.31 3252.21,3149.74 891.69,3150.9 2296.3,3157.08 326.86,3158.27 2958.55,3157.61 1004.62,3166.36 862.46,3168.26 2830.88,3167.83 2989.22,3172.28 1307.07,3174.45 3275.57,3174.45 1036.99,3176.77 2798.24,3177.37 829.74,3177.53 3022.67,3178.4 421.76,3178.62 455.76,3178.62 489.76,3178.62 523.76,3178.62 557.76,3178.62 591.76,3178.62 625.76,3178.62 659.76,3178.62 693.76,3178.62 727.76,3178.62 761.76,3178.62 795.76,3178.62 1070.94,3178.62 1196.47,3178.62 2390.27,3178.62 2424.27,3178.62 2458.27,3178.62 2492.27,3178.62 2526.27,3178.62 2560.27,3178.62 2594.27,3178.62 2628.27,3178.62 2662.27,3178.62 2696.27,3178.62 2730.27,3178.62 2764.27,3178.62 3158.28,3178.62 1162.59,3181.47 3192.08,3182.32 3124.63,3183.48 1229.97,3184.41 2275.48,3183.96 306.18,3185.25 388.43,3185.31 2356.93,3185.31 3221.2,3199.87 1322.99,3204.49 3291.49,3204.49 1256.97,3205.08 361.89,3206.57 2330.4,3206.57 3033.67,3210.57 1071.63,3212.62 1162.59,3215.47 2262.12,3215.22 293.26,3216.7 3124.63,3217.48 3238.28,3229.27 1271.73,3235.71 348.14,3237.66 1330.51,3237.65 2316.64,3237.66 3299.02,3237.65 3043.52,3243.11 1149.1,3246.68 3109.37,3247.86 2257.34,3248.88 187.5,3250 288.85,3250.41 437.5,3250 562.5,3250 687.5,3250 812.5,3250 937.5,3250 1062.5,3250 1187.5,3250 1437.5,3250 1562.5,3250 1812.5,3250 2187.5,3250 2437.5,3250 2562.5,3250 2687.5,3250 2812.5,3250 2937.5,3250 3187.5,3250 3562.5,3250 3687.5,3250 1115.81,3253.62 3075.86,3253.62 3241.65,3263.1 1273.15,3269.68 346.93,3271.64 1331.18,3271.64 2315.44,3271.64 3299.69,3271.64 1283.89,3335.45 1318.62,3336.67 125,3375 375,3375 500,3375 625,3375 750,3375 875,3375 1000,3375 1125,3375 1250,3375 1375,3375 1500,3375 1625,3375 1750,3375 1875,3375 2125,3375 2375,3375 2500,3375 2625,3375 2750,3375 2875,3375 3000,3375 3125,3375 3375,3375 3500,3375 3625,3375 3334.65,3464.57 312.5,3500 437.5,3500 562.5,3500 687.5,3500 812.5,3500 937.5,3500 1062.5,3500 1187.5,3500 1312.5,3500 1437.5,3500 1562.5,3500 1687.5,3500 2187.5,3500 2312.5,3500 2437.5,3500 2562.5,3500 2687.5,3500 2812.5,3500 2937.5,3500 3062.5,3500 3187.5,3500 3312.5,3500 3437.5,3500 3687.5,3500 1881.89,3543.59 125,3625 250,3625 375,3625 500,3625 625,3625 750,3625 875,3625 1000,3625 1125,3625 1250,3625 1375,3625 1500,3625 1625,3625 3000,3625 3125,3625 3250,3625 3375,3625 3500,3625 3625,3625
  other v2: 3098.42,33.46 3098.42,78.74 3098.42,124.02
JTAG_TCK: P1.2 U4.18 | length 287.7
  Top Layer w10: v1(1385.83,1877.95) cw(c1387.8,1877.95) 1387.8,1879.92 U4.18@1450.79,1879.92
  Bottom Layer w10: v1(1385.83,1877.95) cw(c1474.02,1877.95) 1474.02,1966.14 P1.2@1557.09,1966.14
JTAG_TDI: P1.10 R28.1 U4.19 | length 250.4
  Top Layer w10: U4.19@1450.79,1860.24 1462.6,1860.24 cw(c1462.6,1767.72) 1485.93,1857.25 cw(c1483.27,1840.55) 1489.46,1856.28 ccw(c1493.12,1865.59) 1490.15,1856.04 cw(c1462.6,1767.72) v1(1555.12,1767.72)
  Bottom Layer w10: P1.10@1557.09,1766.14 1572.44,1766.14 cw(c1572.44,1716.54) R28.1@1622.05,1716.54
JTAG_TDO: P1.4 U4.20 | length 281.6
  Top Layer w10: v1(1385.83,1838.58) cw(c1387.8,1838.58) 1387.8,1840.55 U4.20@1450.79,1840.55
  Bottom Layer w10: v1(1385.83,1838.58) 1409.45,1838.58 ccw(c1409.45,1879.92) 1450.79,1879.92 cw(c1487.01,1879.92) 1487.01,1916.14 P1.4@1557.09,1916.14
JTAG_TMS: P1.6 R27.1 U4.16 | length 202.7
  Top Layer w10: R27.1@1385.83,1921.26 ccw(c1387.8,1921.26) 1387.8,1919.29 U4.16@1450.79,1919.29 1503.94,1919.29 cw(c1503.94,1866.14) v1(1557.09,1866.14)
MIC_CLK_1: TP13.1 U4.89 U6.1 | length 2421.8
  Top Layer w12.92: v1(2118.11,1811.02) cw(c2147.64,1811.02) 2147.64,1840.55 U4.89@2289.37,1840.55
  Bottom Layer w12.92: U6.1@810.83,993.11 810.83,960.83 ccw(c866.14,960.83) v1(866.14,905.51) 2018.11,905.51 ccw(c2018.11,1005.51) 2118.11,1005.51 v1(2118.11,1811.02)
MIC_CLK_2: U4.88 U5.1 | length 2483.8
  Top Layer w12.92: v1(2185.04,1791.34) cw(c2214.57,1791.34) 2214.57,1820.87 U4.88@2289.37,1820.87
  Bottom Layer w12.92: v1(2185.04,1791.34) 2185.04,1093.11 ccw(c2285.04,1093.11) 2268.06,994.56 ccw(c2285.04,1093.11) 2274.53,993.66 2285.04,993.11 2350.78,993.11 ccw(c2350.78,1009.57) 2367.24,1009.57 2367.24,1022 cw(c2383.71,1022) 2400.17,1022 2400.17,934.57 ccw(c2416.63,934.57) 2433.09,934.57 2433.09,1051.65 cw(c2449.55,1051.65) 2466.01,1051.65 2466.01,934.57 ccw(c2482.47,934.57) 2498.93,934.57 2498.93,1051.65 cw(c2515.39,1051.65) 2531.85,1051.65 2531.85,934.57 ccw(c2548.32,934.57) 2564.78,934.57 2564.78,1051.37 cw(c2581.24,1051.37) 2597.7,1051.37 2597.7,934.57 ccw(c2614.16,934.57) 2630.62,934.57 2630.62,976.65 cw(c2647.08,976.65) 2647.08,993.11 2653.54,993.11 U5.1@2779.33,993.11
MIC_CLK_3: U4.90 U7.1 | length 2483.8
  Top Layer w12.92: v1(2125.98,1889.76) ccw(c2155.51,1889.76) 2155.51,1860.24 U4.90@2289.37,1860.24
  Bottom Layer w12.92: U7.1@960.83,2747.05 1090.55,2747.05 1097.01,2747.05 ccw(c1097.01,2763.51) 1113.47,2763.51 1113.47,2805.59 cw(c1129.93,2805.59) 1146.4,2805.59 1146.4,2688.51 ccw(c1162.86,2688.51) 1179.32,2688.51 1179.32,2770.85 cw(c1195.78,2770.85) 1212.24,2770.85 1212.24,2763.51 ccw(c1228.7,2763.51) 1228.7,2747.05 1274.87,2747.05 2025.98,2747.05 cw(c2025.98,2647.05) 2125.98,2647.05 v1(2125.98,1889.76)